# Allegro board 1140022-KU060_PCIE_FIBER_BOARD_V001_pcb166_20240120_1835_pcb.brd (continued)
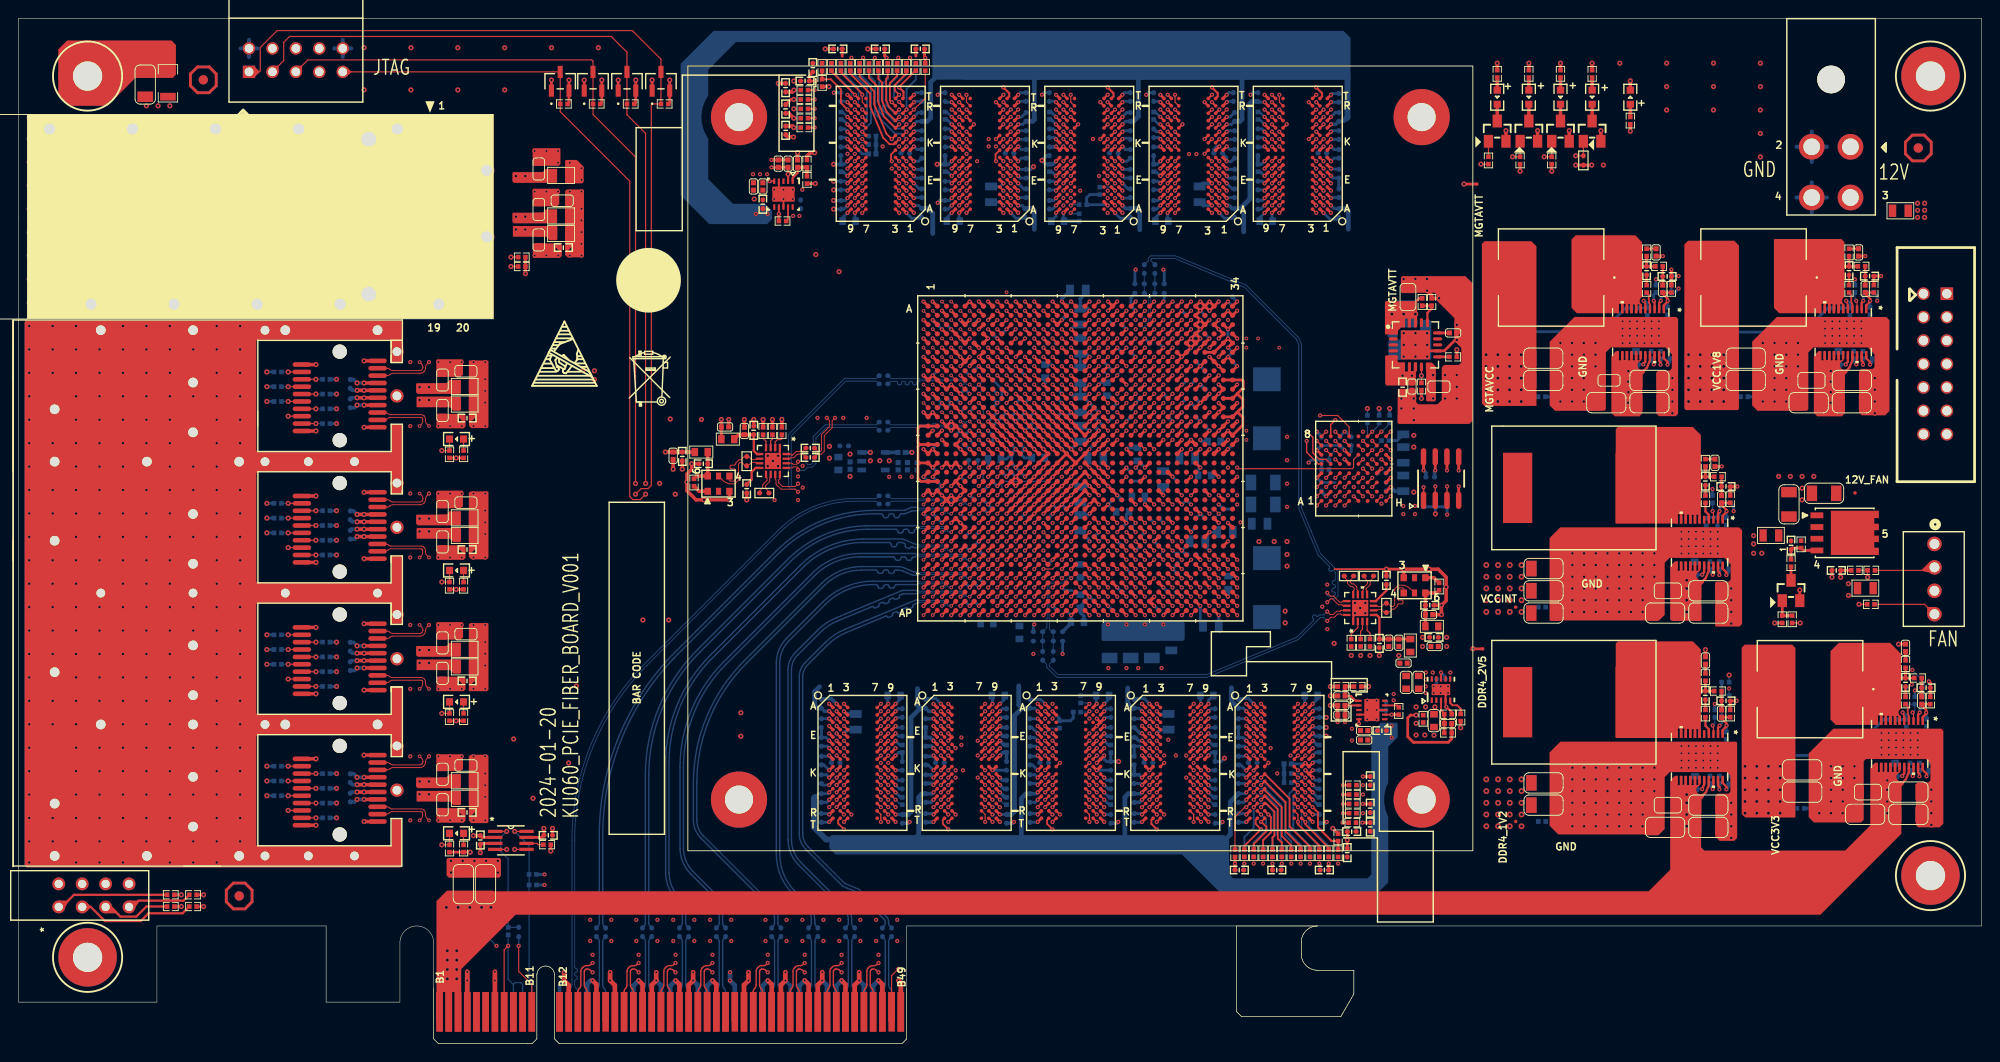
[diagram p0: board, top side]
## Routing (per net, layer and track width the routed paths; a pad name or vN(x,y) marks a point on that pad's centre or on a via; arc(x,y) is an arc through that point) (continued)
  BOTTOM w0.127: R1010.2 v3(32.24,57.77)
CHA_SFP+_1_TX_FAULT: length 82.5
  TOP w0.127: v3(29.24,58.57) 29.24,58.57 P1.B2
  TOP w0.155: U1.AE10 v1(107.11,55.45)
  ART05 w0.086: v1(107.11,55.45) 106.6,55.96 105.94,55.96 105.7,56.2 105.7,56.73 105.38,57.05 75.16,57.05 75.16,57.05 59.24,57.05 57.59,58.7 29.36,58.7 v3(29.24,58.57)
  BOTTOM w0.127: R1011.2 v3(29.24,58.57)
CHA_SFP+_1_TXD_N: length 67.6
  TOP w0.102: P1.B19 39.99,58.97 arc(40.14,58.94) 40.27,58.85 40.29,58.84 arc(40.42,58.75) 40.58,58.72 43.52,58.72 arc(43.64,58.74) 43.73,58.81 43.76,58.83 arc(43.82,58.92) 43.84,59.03 43.84,59.11 arc(43.81,59.27) 43.72,59.41 v2(43.48,59.64) ; U1.J3 v2(100.11,72.45)
  ART10 w0.084: v2(43.48,59.64) 43.66,59.64 arc(43.77,59.69) 43.82,59.8 43.82,60.07 arc(43.88,60.36) 44.04,60.61 44.58,61.15 45.05,61.46 67.07,70.58 arc(70.88,71.74) 74.84,72.13 96.86,72.13 arc(96.93,72.15) 96.95,72.22 arc(96.98,72.29) 97.05,72.31 97.19,72.31 arc(97.26,72.29) 97.29,72.22 arc(97.32,72.15) 97.38,72.13 97.66,72.13 arc(97.7,72.12) 97.73,72.09 97.75,72.08 arc(97.78,72.06) 97.82,72.05 100.32,72.05 arc(100.46,72.11) 100.51,72.24 100.51,72.26 arc(100.46,72.4) 100.32,72.45 v2(100.11,72.45)
CHA_SFP+_1_TXD_P: length 67.6
  TOP w0.102: U1.J4 v2(101.11,72.45) ; v1(44.5,59.64) 44.3,59.44 arc(44.18,59.26) 44.14,59.04 44.14,59.03 arc(44.09,58.81) 43.96,58.62 43.94,58.6 arc(43.75,58.47) 43.52,58.42 40.57,58.42 arc(40.42,58.39) 40.29,58.31 40.27,58.29 arc(40.14,58.2) 39.99,58.17 P1.B18
  ART10 w0.084: v1(44.5,59.64) 44.32,59.64 arc(44.21,59.69) 44.17,59.8 44.17,60.07 arc(44.2,60.23) 44.29,60.37 44.8,60.88 45.21,61.15 67.2,70.26 arc(70.95,71.4) 74.84,71.78 97.66,71.78 arc(97.7,71.79) 97.73,71.81 97.75,71.82 arc(97.78,71.85) 97.82,71.86 100.32,71.86 arc(100.59,71.97) 100.7,72.24 100.7,72.26 arc(100.76,72.39) 100.9,72.45 v2(101.11,72.45)
CHA_SFP+_2_LOS: length 89.6
  TOP w0.127: DS13.2 46.73,37.05 R1026.2 v3(45.89,35.8) ; P1.C8 29.24,39.52 v3(29.24,39.52)
  TOP w0.155: U1.AH9 v1(106.11,52.45)
  ART05 w0.086: v1(106.11,52.45) 105.51,51.86 97.88,51.86 97.64,51.61 72.39,51.61 56.57,35.8 v3(45.89,35.8) 44.27,37.41 36.86,37.41 36.09,38.18 33.81,38.18 32.61,39.37 29.32,39.37 29.24,39.46 v3(29.24,39.52)
CHA_SFP+_2_MOD_DETECT: length 85
  TOP w0.127: P1.C6 29.24,41.12 v3(29.24,41.12)
  TOP w0.155: U1.AH8 v1(105.11,52.45)
  ART05 w0.086: v3(29.24,41.12) 29.24,41.09 30.57,39.76 33.29,39.76 33.78,39.27 59.28,39.27 72.06,52.04 75.16,52.04 75.16,52.05 104.7,52.05 v1(105.11,52.45)
  BOTTOM w0.127: R1025.2 v3(29.24,41.12)
CHA_SFP+_2_RS0: length 2.2
  TOP w0.127: v3(32.24,40.32) P1.C7
  BOTTOM w0.127: R1022.2 v3(32.24,40.32)
CHA_SFP+_2_RS1: length 2.2
  TOP w0.127: v3(32.24,38.72) P1.C9
  BOTTOM w0.127: R1024.2 v3(32.24,38.72)
CHA_SFP+_2_RXD_N: length 80.7
  TOP w0.102: P1.C12 39.9,39.12 arc(40.07,39.16) 40.22,39.25 40.23,39.27 arc(40.37,39.36) 40.54,39.39 43.65,39.39 arc(43.71,39.38) 43.76,39.35 43.77,39.33 arc(43.8,39.29) 43.81,39.23 43.81,39.01 arc(43.77,38.8) 43.66,38.63 v2(43.48,38.45) ; U1.K1 v2(98.11,71.45)
  ART12 w0.084: v2(43.48,38.45) 43.74,38.45 arc(43.8,38.48) 43.82,38.54 43.82,39.11 arc(44.01,39.57) 44.48,39.77 49.86,39.77 arc(50.71,39.94) 51.44,40.42 52.12,41.1 arc(52.97,42.38) 53.27,43.89 arc(54.86,51.86) 59.38,58.62 68.07,67.31 arc(72.45,70.24) 77.63,71.27 94.99,71.27 arc(95.07,71.3) 95.1,71.39 arc(95.14,71.47) 95.22,71.5 95.32,71.5 arc(95.4,71.47) 95.44,71.39 arc(95.47,71.3) 95.55,71.27 95.66,71.27 arc(95.74,71.3) 95.77,71.39 arc(95.81,71.47) 95.89,71.5 95.99,71.5 arc(96.07,71.47) 96.11,71.39 arc(96.14,71.3) 96.22,71.27 96.33,71.27 arc(96.41,71.3) 96.44,71.39 arc(96.48,71.47) 96.56,71.5 96.66,71.5 arc(96.74,71.47) 96.78,71.39 arc(96.81,71.3) 96.89,71.27 97,71.27 arc(97.08,71.3) 97.11,71.39 arc(97.15,71.47) 97.23,71.5 97.33,71.5 arc(97.41,71.47) 97.45,71.39 arc(97.48,71.3) 97.56,71.27 97.81,71.27 arc(97.92,71.29) 98.01,71.36 v2(98.11,71.45)
CHA_SFP+_2_RXD_P: length 80.7
  TOP w0.102: U1.K2 v2(99.11,71.45) ; v2(44.5,38.45) 44.3,38.66 arc(44.16,38.86) 44.11,39.11 44.11,39.23 arc(44.08,39.4) 43.98,39.54 43.96,39.56 arc(43.82,39.66) 43.65,39.69 40.5,39.69 arc(40.36,39.72) 40.24,39.8 40.22,39.81 arc(40.1,39.89) 39.96,39.92 P1.C13
  ART12 w0.084: v2(99.11,71.45) 99.02,71.45 arc(98.96,71.44) 98.9,71.4 98.65,71.15 arc(98.4,70.98) 98.11,70.92 77.63,70.92 arc(72.59,69.92) 68.31,67.07 59.62,58.38 arc(55.18,51.73) 53.62,43.89 arc(53.29,42.25) 52.37,40.86 51.68,40.18 arc(50.85,39.62) 49.86,39.42 44.48,39.42 arc(44.26,39.33) 44.17,39.11 44.17,38.54 arc(44.19,38.48) 44.25,38.45 v2(44.5,38.45)
CHA_SFP+_2_SCL: length 87
  TOP w0.127: P1.C5 v3(32.24,41.92)
  TOP w0.155: U1.AK11 v1(108.11,50.45)
  ART05 w0.086: v3(32.24,41.92) 32.93,41.92 33.63,41.22 35.26,41.22 36.3,40.18 58.45,40.18 71.31,53.05 107.28,53.05 107.65,52.68 107.65,50.91 v1(108.11,50.45)
  BOTTOM w0.127: R1023.2 v3(32.24,41.92)
CHA_SFP+_2_SDA: length 92.8
  TOP w0.127: v3(29.24,42.72) 29.24,42.72 P1.C4
  TOP w0.155: U1.AN11 v1(108.11,47.45)
  ART05 w0.086: v3(29.24,42.72) 29.95,42.72 31.47,41.2 32.56,41.2 34.01,39.75 58.98,39.75 71.76,52.53 97.54,52.53 97.87,52.86 106.38,52.86 106.6,52.63 106.6,51.51 107.72,50.39 107.72,47.84 v1(108.11,47.45)
  BOTTOM w0.127: R1021.2 v3(29.24,42.72)
CHA_SFP+_2_TX_DISABLE: length 81.3
  TOP w0.127: P1.C3 v3(32.24,43.52)
  TOP w0.155: U1.AG9 v1(106.11,53.45)
  ART05 w0.086: v1(106.11,53.45) 105.7,53.86 97.88,53.86 97.64,53.62 70.87,53.62 61.34,44.09 32.82,44.09 v3(32.24,43.52)
  BOTTOM w0.127: R1020.2 v3(32.24,43.52)
CHA_SFP+_2_TX_FAULT: length 83
  TOP w0.127: P1.C2 29.24,44.32 v3(29.24,44.32)
  TOP w0.155: U1.AF8 v1(105.11,54.45)
  ART05 w0.086: v1(105.11,54.45) 104.7,54.05 70.5,54.05 60.91,44.45 29.36,44.45 v3(29.24,44.32)
  BOTTOM w0.127: R1019.2 v3(29.24,44.32)
CHA_SFP+_2_TXD_N: length 74.5
  TOP w0.102: P1.C19 39.99,44.72 arc(40.14,44.69) 40.27,44.6 40.29,44.59 arc(40.42,44.5) 40.58,44.47 43.52,44.47 arc(43.64,44.49) 43.73,44.56 43.76,44.58 arc(43.82,44.67) 43.84,44.78 43.84,44.86 arc(43.81,45.02) 43.72,45.16 v2(43.48,45.39) ; U1.L3 v2(100.11,70.45)
  ART10 w0.084: v2(100.11,70.45) 100.32,70.45 arc(100.46,70.4) 100.51,70.26 100.51,70.24 arc(100.46,70.11) 100.32,70.05 97.73,70.05 arc(97.68,70.06) 97.65,70.08 97.64,70.09 arc(97.6,70.12) 97.56,70.13 97.3,70.13 arc(97.25,70.15) 97.22,70.2 arc(97.2,70.26) 97.15,70.28 96.97,70.28 arc(96.91,70.26) 96.89,70.2 arc(96.87,70.15) 96.81,70.13 75.11,70.13 arc(70.25,69.16) 66.12,66.4 47.08,47.36 arc(46.94,47.27) 46.78,47.23 45.23,47.23 arc(44.94,47.18) 44.69,47.01 44.04,46.36 arc(43.88,46.11) 43.82,45.82 43.82,45.55 arc(43.77,45.44) 43.66,45.39 v2(43.48,45.39)
CHA_SFP+_2_TXD_P: length 74.5
  TOP w0.102: P1.C18 39.99,43.92 arc(40.14,43.95) 40.27,44.04 40.29,44.06 arc(40.42,44.14) 40.57,44.17 43.52,44.17 arc(43.75,44.22) 43.94,44.35 43.96,44.37 arc(44.09,44.56) 44.14,44.78 44.14,44.79 arc(44.18,45.01) 44.3,45.19 v1(44.5,45.39) ; U1.L4 v2(101.11,70.45)
  ART10 w0.084: v1(44.5,45.39) 44.32,45.39 arc(44.21,45.44) 44.17,45.55 44.17,45.82 arc(44.2,45.98) 44.29,46.12 44.94,46.77 arc(45.07,46.86) 45.23,46.89 46.78,46.89 arc(47.07,46.95) 47.32,47.11 66.37,66.16 arc(70.38,68.84) 75.11,69.78 97.56,69.78 arc(97.6,69.79) 97.64,69.81 97.65,69.82 arc(97.68,69.85) 97.73,69.86 100.32,69.86 arc(100.59,69.97) 100.7,70.24 100.7,70.26 arc(100.76,70.39) 100.9,70.45 v2(101.11,70.45)
CHA_SFP+_3_LOS: length 95.1
  TOP w0.127: DS14.2 46.73,22.8 R1273.2 v3(45.89,21.55) ; v3(29.24,25.27) 29.24,25.27 P1.D8
  TOP w0.155: U1.AM10 v1(107.11,48.45)
  ART05 w0.086: v1(107.11,48.45) 106.92,48.45 106.51,48.86 97.57,48.86 97.23,49 76.68,49 51.9,24.22 50.53,23.65 47.99,23.65 v3(45.89,21.55) 44.02,23.42 37.03,23.42 36.53,23.93 33.81,23.93 32.69,25.04 29.46,25.04 v3(29.24,25.27)
CHA_SFP+_3_MOD_DETECT: length 94.8
  TOP w0.127: P1.D6 29.24,26.87 v3(29.24,26.87)
  TOP w0.155: U1.AP11 v1(108.11,46.45)
  ART05 w0.086: v3(29.24,26.87) 29.24,26.84 30.61,25.48 33.15,25.48 33.58,25.04 51.97,25.04 76.28,49.35 97.09,49.35 97.83,49.05 107.32,49.05 107.52,48.84 107.52,47.04 v1(108.11,46.45)
  BOTTOM w0.127: R1274.2 v3(29.24,26.87)
CHA_SFP+_3_RS0: length 2.2
  TOP w0.127: P1.D7 v3(32.24,26.07)
  BOTTOM w0.127: R1271.2 v3(32.24,26.07)
CHA_SFP+_3_RS1: length 2.2
  TOP w0.127: P1.D9 v3(32.24,24.47)
  BOTTOM w0.127: R1272.2 v3(32.24,24.47)
CHA_SFP+_3_RXD_N: length 91.3
  TOP w0.102: U1.M1 v2(98.11,69.45) ; v2(43.48,24.2) 43.66,24.38 arc(43.77,24.55) 43.81,24.76 43.81,24.98 arc(43.8,25.04) 43.77,25.08 43.76,25.1 arc(43.71,25.13) 43.65,25.14 40.52,25.14 arc(40.35,25.11) 40.2,25.02 40.19,25 arc(40.05,24.91) 39.88,24.87 P1.D12
  ART12 w0.084: v2(43.48,24.2) 43.74,24.2 arc(43.8,24.23) 43.82,24.29 43.82,24.79 arc(43.88,25.08) 44.04,25.33 44.08,25.37 arc(44.33,25.54) 44.62,25.59 50.28,25.59 arc(50.44,25.62) 50.58,25.72 51.83,26.97 arc(55.02,31.75) 56.14,37.39 56.14,40.4 arc(58.27,51.1) 64.33,60.16 70.77,66.61 arc(73.72,68.58) 77.2,69.27 94.89,69.27 arc(94.97,69.3) 95,69.38 arc(95.03,69.46) 95.11,69.49 95.23,69.49 arc(95.3,69.46) 95.34,69.38 arc(95.37,69.3) 95.45,69.27 95.56,69.27 arc(95.64,69.3) 95.67,69.38 arc(95.71,69.46) 95.78,69.49 95.9,69.49 arc(95.97,69.46) 96.01,69.38 arc(96.04,69.3) 96.12,69.27 96.23,69.27 arc(96.31,69.3) 96.34,69.38 arc(96.38,69.46) 96.45,69.49 96.57,69.49 arc(96.65,69.46) 96.68,69.38 arc(96.71,69.3) 96.79,69.27 96.9,69.27 arc(96.98,69.3) 97.01,69.38 arc(97.05,69.46) 97.13,69.49 97.24,69.49 arc(97.32,69.46) 97.35,69.38 arc(97.38,69.3) 97.46,69.27 97.81,69.27 arc(97.92,69.29) 98.01,69.36 v2(98.11,69.45)
CHA_SFP+_3_RXD_P: length 91.4
  TOP w0.102: v2(44.5,24.2) 44.3,24.41 arc(44.16,24.62) 44.11,24.86 44.11,24.98 arc(44.08,25.15) 43.98,25.29 43.96,25.31 arc(43.82,25.41) 43.65,25.44 40.5,25.44 arc(40.36,25.47) 40.24,25.55 40.22,25.56 arc(40.1,25.64) 39.96,25.67 P1.D13 ; U1.M2 v2(99.11,69.45)
  ART12 w0.084: v2(44.5,24.2) 44.25,24.2 arc(44.19,24.23) 44.17,24.29 44.17,24.79 arc(44.2,24.95) 44.29,25.09 44.31,25.11 arc(44.46,25.21) 44.64,25.25 50.28,25.25 arc(50.57,25.31) 50.82,25.47 52.07,26.72 arc(55.34,31.62) 56.49,37.39 56.49,40.4 arc(58.59,50.97) 64.57,59.92 71.02,66.36 arc(73.85,68.26) 77.2,68.92 98.11,68.92 arc(98.4,68.98) 98.65,69.15 98.9,69.4 arc(98.96,69.44) 99.02,69.45 v2(99.11,69.45)
CHA_SFP+_3_SCL: length 88.9
  TOP w0.127: P1.D5 v3(32.24,27.67)
  TOP w0.155: U1.AL10 v1(107.11,49.45)
  ART05 w0.086: v3(32.24,27.67) 32.93,27.67 33.63,26.97 35.03,26.97 36.07,25.93 51.36,25.93 75.64,50.22 97.64,50.22 97.81,50.05 106.51,50.05 v1(107.11,49.45)
  BOTTOM w0.127: R1270.2 v3(32.24,27.67)
CHA_SFP+_3_SDA: length 91.3
  TOP w0.127: P1.D4 v3(29.24,28.47)
  TOP w0.155: U1.AL9 v1(106.11,49.45)
  ART05 w0.086: v3(29.24,28.47) 30.18,28.47 31.85,26.8 32.61,26.8 33.91,25.5 51.69,25.5 75.95,49.76 97.74,49.76 97.84,49.86 105.7,49.86 v1(106.11,49.45)
  BOTTOM w0.127: R1269.2 v3(29.24,28.47)
CHA_SFP+_3_TX_DISABLE: length 86.9
  TOP w0.127: P1.D3 v3(32.24,29.27)
  TOP w0.155: U1.AK10 v1(107.11,50.45)
  ART05 w0.086: v3(32.24,29.27) 32.82,29.84 53.64,29.84 74.42,50.62 97.61,50.62 97.85,50.86 106.7,50.86 v1(107.11,50.45)
  BOTTOM w0.127: R1267.2 v3(32.24,29.27)
CHA_SFP+_3_TX_FAULT: length 88.7
  TOP w0.127: P1.D2 v3(29.24,30.07)
  TOP w0.155: U1.AJ9 v1(106.11,51.45)
  ART05 w0.086: v3(29.24,30.07) 29.36,30.2 52.96,30.2 73.8,51.05 105.7,51.05 v1(106.11,51.45)
  BOTTOM w0.127: R1268.2 v3(29.24,30.07)
CHA_SFP+_3_TXD_N: length 83.9
  TOP w0.102: v2(43.48,31.14) 43.72,30.91 arc(43.81,30.77) 43.84,30.61 43.84,30.53 arc(43.82,30.42) 43.76,30.33 43.73,30.31 arc(43.64,30.24) 43.52,30.22 40.58,30.22 arc(40.42,30.25) 40.29,30.34 40.27,30.35 arc(40.14,30.44) 39.99,30.47 P1.D19 ; U1.N3 v2(100.11,68.45)
  ART10 w0.084: v2(43.48,31.14) 43.66,31.31 arc(43.78,31.49) 43.82,31.7 43.82,31.9 arc(44.02,32.38) 44.5,32.58 45.81,32.58 arc(47.41,32.9) 48.76,33.8 arc(49.03,34.1) 49.27,34.42 58.31,47.94 arc(60.77,52.28) 62.56,56.93 62.56,56.94 arc(63.74,59.58) 65.52,61.87 68.87,65.21 arc(70.74,66.46) 72.94,66.9 91.56,66.9 arc(91.64,66.91) 91.72,66.94 94.45,68.07 arc(94.59,68.11) 94.74,68.13 96.8,68.13 arc(96.87,68.16) 96.9,68.23 arc(96.93,68.3) 97,68.33 97.14,68.33 arc(97.21,68.3) 97.24,68.23 arc(97.27,68.16) 97.34,68.13 97.56,68.13 arc(97.6,68.12) 97.64,68.09 97.65,68.08 arc(97.68,68.06) 97.73,68.05 100.32,68.05 arc(100.46,68.11) 100.51,68.24 100.51,68.26 arc(100.46,68.4) 100.32,68.45 v2(100.11,68.45)
CHA_SFP+_3_TXD_P: length 84
  TOP w0.102: P1.D18 39.99,29.67 arc(40.14,29.7) 40.27,29.79 40.29,29.81 arc(40.42,29.89) 40.57,29.92 43.52,29.92 arc(43.75,29.97) 43.94,30.1 43.96,30.12 arc(44.09,30.31) 44.14,30.53 44.14,30.54 arc(44.18,30.76) 44.3,30.94 v1(44.5,31.14) ; U1.N4 v2(101.11,68.45)
  ART10 w0.084: v2(101.11,68.45) 100.9,68.45 arc(100.76,68.39) 100.7,68.26 100.7,68.24 arc(100.59,67.97) 100.32,67.86 97.73,67.86 arc(97.68,67.85) 97.65,67.82 97.64,67.81 arc(97.6,67.79) 97.56,67.78 94.81,67.78 arc(94.66,67.77) 94.52,67.72 91.85,66.62 arc(91.71,66.57) 91.56,66.56 72.94,66.56 arc(70.87,66.15) 69.11,64.97 65.76,61.62 arc(64.03,59.4) 62.89,56.84 62.89,56.83 arc(61.08,52.13) 58.6,47.75 49.57,34.24 arc(49.6,34.21) 49.62,34.18 arc(49.32,33.87) 49.01,33.56 arc(47.54,32.58) 45.81,32.23 44.5,32.23 arc(44.26,32.13) 44.17,31.9 44.17,31.7 arc(44.21,31.49) 44.33,31.31 v1(44.5,31.14)
CHA_TEMP_ALERT: length 38.1
  TOP w0.127: U150.3 154.85,60.4 v1(154.87,60.41)
  TOP w0.155: U1.AB26 v1(124.11,58.45)
  ART03 w0.086: v1(154.87,60.41) 154.32,60.96 153.26,60.96 152.93,60.63 152.93,59.92 152.25,59.23 149.81,59.23 145.98,55.41 141.42,55.41 136.78,56.33 134.13,57.43 130.86,57.43 130.43,57.86 124.7,57.86 v1(124.11,58.45)
  BOTTOM w0.127: R829.2 v1(154.87,60.41)
CHA_TEMP_SCL: length 37.6
  TOP w0.127: U150.2 v1(153.58,60.41)
  TOP w0.155: U1.AB25 v1(123.11,58.45)
  ART03 w0.086: v1(153.58,60.41) 153.58,59.91 152.48,58.8 149.94,58.8 146.13,54.99 141.49,54.99 136.41,56 134.19,56.92 124.64,56.92 v1(123.11,58.45)
  BOTTOM w0.127: R830.2 153.6,60.4 v1(153.58,60.41)
CHA_TEMP_SDA: length 33.1
  TOP w0.155: U1.AB27 v1(125.11,58.45) ; U150.1 v1(152.31,60.33)
  ART03 w0.086: v1(125.11,58.45) 125.5,58.06 130.68,58.06 130.86,57.89 134.16,57.89 137.01,56.7 141.29,55.85 145.85,55.85 150.32,60.33 v1(152.31,60.33)
  BOTTOM w0.155: v1(152.31,60.33) 152.31,60.3 152.33,60.29 R831.2
CHA_VCCAUX: length 15.9
  TOP w0.305: U1.U20 117.63,63.95 v1(118.11,64.45) ; U1.W8 v1(105.11,61.45) ; U1.AA8 v1(105.11,59.45) ; U1.T19 v1(117.11,65.45) U1.R20 ; U1.AC18 v1(116.11,58.45) U1.AB19 v1(117.11,58.45) ; U1.V19 v1(117.11,62.43) 117.58,61.95 U1.W20 v1(118.11,61.45) ; U1.U8 v1(105.11,64.45) ; U1.N18 v1(116.11,68.45) U1.M19 ; U1.Y19 v1(117.11,60.45) ; U1.P19 v1(117.11,67.45) ; U1.AC8 v1(105.11,57.45)
  BOTTOM w0.305: C123.1 104.64,57.92 v1(105.11,57.45) ; C119.1 116.1,68.44 v1(116.11,68.45) 116.58,67.98 C122.1 116.61,67.95 v1(117.11,67.45) 117.58,66.98 C121.1
CHA_VCCINT: length 126.8
  TOP w0.305: v1(110.11,69.45) U1.M13 v1(111.11,68.45) U1.N14 v1(112.11,67.45) U1.P15 v1(113.11,66.45) U1.R16 v1(114.11,65.45) U1.T17 ; v1(110.11,62.45) U1.V13 U1.U14 v1(111.11,64.45) U1.T13 v1(110.11,65.45) U1.R12 v1(109.11,66.45) U1.P11 v1(108.11,67.45) U1.N10 v1(107.11,68.45) U1.M9 ; U1.AA10 v1(107.11,59.45) ; v1(108.11,69.45) U1.M11 v1(109.11,68.45) U1.N12 v1(110.11,67.45) U1.P13 v1(111.11,66.45) U1.R14 v1(112.11,65.45) U1.T15 v1(113.11,64.45) U1.U16 ; U1.M17 v1(114.11,69.45) ; U1.R8 v1(106.11,65.45) U1.T9 v1(107.11,64.45) U1.U10 ; U1.T11 v1(108.11,65.45) U1.R10 v1(107.11,66.45) U1.P9 v1(106.11,67.45) U1.N8 v1(105.11,68.45) ; U1.U16 U1.V15 v1(112.11,62.45) U1.W14 v1(111.11,61.45) U1.Y13 v1(110.11,60.45) U1.AA12 v1(109.11,59.45) U1.AB11 v1(108.11,58.45) U1.AC10 v1(107.11,57.45) ; U1.U16 U1.V17 ; U1.V17 U1.U18 116.08,64.45 v2(116.11,64.45) ; U1.V17 v1(114.11,62.45) U1.W16 ; v1(116.11,61.45) U1.W18 U1.Y17 v1(114.11,60.45) U1.AA16 v1(113.11,59.45) U1.AB15 v1(112.11,58.45) U1.AC14 v1(111.11,57.45) ; U1.AC16 v1(114.11,58.45) U1.AB17 U1.AA18 v1(116.11,59.45) ; U1.Y15 v1(112.11,60.45) U1.AA14 v1(111.11,59.45) U1.AB13 v1(110.11,58.45) U1.AC12 v1(109.11,57.45) ; v1(112.11,69.45) U1.M15 v1(113.11,68.45) U1.N16 v1(114.11,67.45) U1.P17 U1.R18 v1(116.11,66.45) ; U1.W10 v1(107.11,61.45)
  TOP w0.381: R580.1 C1506.2 v1(186.33,60.4)
  ART10 w0.381: v4(162.93,46.8) 165.18,45.87 181.23,45.87 186.97,51.61 186.97,58.87 v1(186.33,60.4)
  BOTTOM w0.305: v1(107.11,59.45) 107.55,59.9 C105.1 ; C115.1 v1(108.11,69.45) ; v1(109.11,59.45) 108.64,58.98 C111.1 108.13,58.45 v1(108.11,58.45) ; C106.1 112.64,67.98 v1(113.11,68.45) ; C112.1 116.61,64.97 116.11,64.48 v2(116.11,64.45) ; v1(111.11,61.45) 111.58,61.92 C118.1 111.61,61.95 v1(112.11,62.45) ; v1(109.11,68.45) 108.64,67.98 C114.1 v1(108.11,67.45) ; v1(110.11,67.45) 109.64,66.98 C116.1 109.62,66.96 v1(109.11,66.45) ; v1(109.11,57.45) 108.64,56.98 C103.1 ; v1(113.11,66.45) U1.P15 v1(112.11,67.45) ; v1(116.11,54.45) 115.95,54.61 115.95,54.74 115.11,55.58 C99.1 ; C110.1 112.63,57.93 v1(112.11,58.45) ; v1(106.11,67.45) 105.67,67.01 R10.1 ; v1(106.11,67.45) 106.58,66.98 C113.1 106.64,66.92 v1(107.11,66.45) ; v1(106.11,67.45) 106.64,67.98 C108.1 106.64,67.99 v1(107.11,68.45) ; C109.1 106.64,61.92 v1(107.11,61.45) ; v1(116.11,66.45) C102.1 v1(114.11,67.45) ; C104.1 112.64,64.92 v1(113.11,64.45) ; v1(112.11,60.45) 111.64,59.98 C117.1
  vias: v1(118.11,45.45) v1(120.11,45.45) v1(122.11,45.45) v1(124.11,45.45) v1(137.52,65.79) v1(137.52,63.25) v1(137.52,60.71) v1(137.52,58.19) v2(133.11,66.45) v2(133.11,65.45) v3(134.47,54.43) v3(136.12,54.43) v3(137.52,54.43) v3(137.52,53.04) v3(137.52,51.77) v4(159.12,51.88) v4(159.12,50.61) v4(159.12,49.34) v4(159.12,48.07) v4(159.12,46.8) v4(160.39,51.88) v4(160.39,50.61) v4(160.39,49.34) v4(160.39,48.07) v4(160.39,46.8) v4(161.66,51.88) v4(161.66,50.61) v4(161.66,49.34) v4(161.66,48.07) v4(161.66,46.8) v4(162.93,51.88) v4(162.93,50.61) v4(162.93,49.34) v4(162.93,48.07)
CHA_VCCINT_EN: length 4.1
  TOP w0.254: U108.2 184.24,57.48 184.41,57.66 v1(184.41,57.73)
  BOTTOM w0.254: R588.2 184.41,58.33 v1(184.41,57.73) 184.38,57.7 184.38,57.27 C1198.1 183.06,57.06 R589.2
CHA_VCCINT_GOOD: length 42.1
  TOP w0.127: v1(183.65,57.73) 183.74,57.64 U108.3
  ART03 w0.086: v1(183.65,57.73) 183.65,58.86 188.98,64.19 201.6,64.19 202.72,65.3 202.72,80.11 202.29,80.54 v1(201.49,80.54)
  BOTTOM w0.127: R587.2 183.63,57.74 v1(183.65,57.73)
  BOTTOM w0.305: R654.2 201.49,81.11 v1(201.49,80.54)
DDR4_1V2: length 342.2
  TOP w0.229: U14.2 v3(83.43,94.26) C252.1 ; U5.B3 v1(123.4,36.03) ; U7.J2 133.9,29.63 v1(133.9,29.61) ; C343.1 U8.2
  TOP w0.305: v1(121.11,79.45) U1.B23 ; U10.J1 v1(142.28,97.27) ; v1(140.3,30.43) U7.J9 v1(139.5,30.43) U7.J8 ; U11.B3 v1(95.47,90.87) ; U7.G9 v1(140.3,32.03) ; U12.A1 v1(119.67,90.07) ; U13.L1 v1(108.37,98.87) ; U7.F8 v1(139.5,32.83) ; U9.F8 v1(124.58,94.07) ; U1.A26 v1(124.11,80.45) ; U5.T9 v1(128.99,24.03) ; U4.F8 v1(105.59,32.83) ; U6.J2 v1(111.29,29.63) ; U9.A1 v1(130.98,90.07) ; U9.C1 v1(130.98,91.67) ; U4.B9 v1(106.39,36.03) ; U4.D1 v1(99.19,34.43) ; U6.J1 v1(110.49,29.63) ; U4.J2 v1(99.99,29.63) ; U3.G1 v1(87.89,32.03) ; U7.B9 v1(140.3,36.03) ; U1.AP27 v1(124.11,46.45) ; U5.J2 v1(122.6,29.63) U5.J1 ; U11.G1 v1(97.07,94.87) ; U9.J1 v1(130.98,97.27) ; U12.L9 v1(112.47,98.87) ; U7.A9 v1(140.3,36.83) ; U1.E24 v1(122.11,76.45) ; U12.C1 v1(119.67,91.67) ; U13.G9 v1(101.17,94.87) ; U9.L1 v1(130.98,98.87) ; v1(81.62,95.01) C251.1 C252.1 ; U1.AL26 v1(124.11,49.45) ; U10.G7 v1(136.68,94.87) ; U3.G7 v1(93.49,32.03) ; U9.J9 v1(123.78,97.27) ; U1.AN30 v1(128.11,47.45) ; U12.L1 v1(119.67,98.87) ; U1.AD17 v1(114.11,56.45) ; U11.C1 v1(97.07,91.67) ; U9.G1 v1(130.98,94.87) ; U13.R1 v1(108.37,102.07) ; U9.G9 v1(123.78,94.87) ; U3.C1 v1(87.89,35.23) ; U13.A9 v1(101.17,90.07) ; U11.T9 v1(89.87,102.87) ; U11.D9 v1(89.87,92.47) ; U6.L1 v1(110.49,28.03) ; U6.C1 v1(110.49,35.23) ; U11.J8 v1(90.67,97.27) ; U12.T9 v1(112.47,102.87) ; U4.D9 v1(106.39,34.43) ; U9.D1 v1(130.98,92.47) ; U11.D1 v1(97.07,92.47) ; U12.D1 v1(119.67,92.47) ; R81.1 v3(142.48,23.33) ; U5.G9 v1(128.99,32.03) ; U9.B9 v1(123.78,90.87) ; U7.R1 v1(133.1,24.83) ; U5.J9 v1(128.99,29.63) ; U10.B9 v1(135.08,90.87) ; U7.L9 v1(140.3,28.03) ; U1.E14 v1(111.11,76.45) ; U13.G1 v1(108.37,94.87) ; U7.G1 v1(133.1,32.03) ; U1.F11 v1(108.11,74.45) ; U9.D9 v1(123.78,92.47) ; U7.D9 v1(140.3,34.43) ; U10.J8 v1(135.88,97.27) ; U6.A1 v1(110.49,36.83) ; U6.F2 v1(111.29,32.83) ; U13.T9 v1(101.17,102.87) ; U7.L1 v1(133.1,28.03) ; U3.J2 v1(88.69,29.63) ; R631.1 C1523.2 v1(186.26,37.16) ; U7.T9 v1(140.3,24.03) ; U4.J9 105.99,30.03 v1(105.59,29.63) U4.J8 ; U3.F8 v1(94.29,32.83) ; U5.L9 v1(128.99,28.03) ; U3.F2 v1(88.69,32.83) ; U12.B3 v1(118.07,90.87) ; U6.T9 v1(117.69,24.03) ; U11.J2 v1(96.27,97.27) ; U3.T9 v1(95.09,24.03) ; U6.A9 v1(117.69,36.83) ; U13.F8 v1(101.97,94.07) ; U6.L9 v1(117.69,28.03) ; U11.F2 v1(96.27,94.07) ; U5.J8 v1(128.2,29.63) ; U3.B3 v1(89.49,36.03) ; U7.G7 v1(138.7,32.03) ; U1.AG28 v1(126.11,53.45) ; U1.AH15 v1(112.11,52.45) ; U13.J1 v1(108.37,97.27) ; U10.J2 v1(141.48,97.27) ; U1.AK29 v1(127.11,50.45) ; U5.F2 v1(122.6,32.83) ; U4.L1 v1(99.19,28.03) ; U13.B9 v1(101.17,90.87) ; U4.L9 v1(106.39,28.03) ; U13.J2 v1(107.57,97.27) ; U3.J8 v1(94.29,29.63) ; U11.F8 v1(90.67,94.07) ; U6.R1 v1(110.49,24.83) ; U7.B3 v1(134.7,36.03) ; U9.A9 v1(123.78,90.07) ; U13.A1 v1(108.37,90.07) ; U10.F8 v1(135.88,94.07) ; U4.G9 v1(106.39,32.03) ; U6.J9 v1(116.89,29.63) U6.J8 ; U1.AJ22 v1(120.11,51.45) ; U7.J1 133.5,30.01 v1(133.1,29.61) ; U9.L9 v1(123.78,98.87) ; U1.AL16 v1(113.11,49.45) ; U3.G9 v1(95.09,32.03) ; U5.D1 v1(121.8,34.43) ; U10.T9 v1(135.08,102.87) ; U9.R1 v1(130.98,102.07) ; U12.G7 v1(114.07,94.87) ; U13.B3 v1(106.77,90.87) ; U5.G1 v1(121.8,32.03) ; U13.G7 v1(102.77,94.87) ; U4.A9 v1(106.39,36.83) ; U10.A1 v1(142.28,90.07) ; U12.G1 v1(119.67,94.87) ; U10.R1 v1(142.28,102.07) ; U3.J9 v1(95.09,29.63) ; U13.C1 v1(108.37,91.67) ; U1.AE24 v1(122.11,55.45) ; U12.J2 v1(118.87,97.27) ; U10.A9 v1(135.08,90.07) ; U6.B9 v1(117.69,36.03) ; U12.F8 v1(113.27,94.07) ; U3.D1 v1(87.89,34.43) ; U12.F2 v1(118.87,94.07) ; U1.F21 v1(119.11,75.45) ; U1.AM33 v1(131.11,48.45) ; U9.B3 v1(129.38,90.87) ; U10.F2 v1(141.48,94.07) ; U13.F2 v1(107.57,94.07) ; U9.J8 v1(124.58,97.27) ; U4.R1 v1(99.19,24.83) ; U5.C1 v1(121.8,35.23) ; U5.G7 v1(127.39,32.03) ; U5.A1 v1(121.8,36.83) ; U6.F8 v1(116.89,32.83) ; U3.L9 v1(95.09,28.03) ; U3.A1 v1(87.89,36.83) ; U11.G9 v1(89.87,94.87) ; U6.D9 v1(117.69,34.43) ; U13.D1 v1(108.37,92.47) ; U7.C1 v1(133.1,35.23) ; U1.D27 v1(125.11,77.45) ; U4.C1 v1(99.19,35.23) ; U3.D9 v1(95.09,34.43) ; U1.C10 v1(107.11,77.45) ; U12.R1 v1(119.67,102.07) ; U11.L9 v1(89.87,98.87) ; U11.B9 v1(89.87,90.87) ; v1(112.47,97.27) U12.J9 v1(113.27,97.27) U12.J8 ; U5.A9 v1(128.99,36.83) ; U10.J9 v1(135.08,97.27) ; U1.AM23 v1(121.11,48.45) ; U4.B3 v1(100.79,36.03) ; U3.A9 v1(95.09,36.83) ; U13.D9 v1(101.17,92.47) ; U11.R1 v1(97.07,102.07) ; U10.L1 v1(142.28,98.87) ; U11.J1 v1(97.07,97.27) ; U13.J9 v1(101.17,97.27) ; U4.A1 v1(99.19,36.83) ; U4.F2 v1(99.99,32.83) ; U10.G1 v1(142.28,94.87) ; U10.C1 v1(142.28,91.67) ; U12.A9 v1(112.47,90.07) ; U1.H15 v1(112.11,73.45) ; U5.R1 v1(121.8,24.83) ; U5.D9 v1(128.99,34.43) ; U10.L9 v1(135.08,98.87) ; U7.D1 v1(133.1,34.43) ; U3.J1 v1(87.89,29.63) ; U4.G1 v1(99.19,32.03) ; R127.1 v3(87.86,103.76) ; R150.1 v3(86.39,93.25) ; U1.G18 v1(116.11,74.45) ; U3.R1 v1(87.89,24.83) ; U6.G1 v1(110.49,32.03) ; U11.L1 v1(97.07,98.87) ; U1.L16 v1(113.11,70.45) ; U5.F8 v1(128.2,32.83) ; U6.D1 v1(110.49,34.43) ; U4.T9 v1(106.39,24.03) ; U10.B3 v1(140.68,90.87) ; U12.B9 v1(112.47,90.87) ; U11.J9 v1(89.87,97.27) ; U11.A9 v1(89.87,90.07) ; U1.AE14 v1(111.11,56.45) ; U6.G7 v1(116.09,32.03) ; U11.G7 v1(91.47,94.87) ; U9.G7 v1(125.38,94.87) ; U1.AK19 v1(117.11,50.45) ; U1.D17 v1(114.11,77.45) ; U1.C20 v1(118.11,78.45) ; U4.G7 v1(104.79,32.03) ; U5.L1 v1(121.8,28.03) ; U4.J1 v1(99.19,29.63) ; U3.L1 v1(87.89,28.03) ; U10.D1 v1(142.28,92.47) ; U11.A1 v1(97.07,90.07) ; U10.D9 v1(135.08,92.47) ; U12.G9 v1(112.47,94.87) ; U12.D9 v1(112.47,92.47) ; U10.G9 v1(135.08,94.87) ; U6.B3 v1(112.09,36.03) ; U1.AG18 v1(116.11,53.45) ; U1.J12 v1(109.11,72.45) ; U3.B9 v1(95.09,36.03) ; U1.A16 v1(113.11,80.45) ; U9.J2 v1(130.18,97.27) ; U1.AN20 v1(118.11,47.45) ; U1.AH25 v1(122.11,53.45) ; U6.G9 v1(117.69,32.03) ; U1.K19 v1(117.11,71.45) ; U1.K9 v1(107.11,70.45) ; U5.B9 v1(128.99,36.03) ; U1.G8 v1(105.11,74.45) ; U9.T9 v1(123.78,102.87) ; U12.J1 v1(119.67,97.27) ; U13.J8 v1(101.97,97.27) ; U13.L9 v1(101.17,98.87) ; U7.A1 v1(133.1,36.83) ; U9.F2 v1(130.18,94.07) ; U7.F2 v1(133.9,32.83) ; v1(110.11,79.45) U1.B13 ; U1.AJ32 v1(130.11,51.45) ; U1.AP17 v1(114.11,46.45) ; U1.AF21 v1(119.11,54.45)
  TOP w0.381: v1(143.8,34.86) C342.1 C343.1 ; R103.1 v3(146.35,38.71)
  ART12 w0.381: v1(186.26,37.16) 186.26,34.07 185.88,33.15 185.88,27.28 181.13,22.53 166.58,22.53 164.36,22.97 v4(162.93,23.56)
  BOTTOM w0.305: C263.1 129.57,96.97 129.88,97.27 v1(130.18,97.27) ; C199.1 C198.1 121.58,32.25 v1(121.8,32.03) ; v1(140.3,36.03) 140.57,36.3 C216.1 ; C173.1 95.51,27.61 v1(95.09,28.03) ; v1(121.8,24.83) 121.69,24.93 C200.1 ; v1(99.99,29.63) 100.36,30 C186.1 ; v1(101.17,90.87) 100.78,90.48 C309.1 ; v1(95.09,36.83) 95.62,37.36 C170.1 ; v1(108.37,91.67) 108.43,91.73 C307.1 ; v1(112.47,98.87) 112.18,99.17 C320.1 ; v1(96.27,97.27) 95.66,96.67 C293.1 ; C179.1 89.05,30 v1(88.69,29.63) ; C33.1 112.64,70.92 v1(113.11,70.45) ; C314.1 108.7,96.94 v1(108.37,97.27) ; C40.1 121.59,54.93 v1(122.11,55.45) ; v1(89.87,98.87) 89.57,99.17 C290.1 ; v1(99.19,24.83) 99.09,24.93 C192.1 ; C287.1 89.34,89.54 v1(89.87,90.07) ; v1(112.47,92.47) 112.38,92.56 C324.1 ; v1(121.11,79.45) 120.6,79.96 120.6,80.9 121.03,81.33 R62.2 ; v1(123.78,90.07) 123.25,89.54 C261.1 ; C39.1 C45.1 115.77,74.79 v1(116.11,74.45) ; v1(112.47,90.87) 112.08,90.48 C323.1 ; C36.1 v1(114.11,46.45) 114.1,46.44 C42.1 ; v1(140.3,34.43) 140.46,34.27 C219.1 v3(141.76,34.27) ; C280.1 143.09,94.82 142.33,94.82 v1(142.28,94.87) ; C180.1 87.31,30.21 v1(87.89,29.63) ; v1(113.11,49.45) 113.44,49.12 114.22,49.12 ; v1(89.87,92.47) 89.78,92.56 C297.1 v3(88.37,92.56) ; v1(123.78,98.87) 123.36,98.87 C267.1 ; C232.1 109.91,30.21 v1(110.49,29.63) ; v1(95.09,36.03) 95.35,36.3 C178.1 ; v1(119.67,102.07) 119.77,102.16 C326.1 ; C308.1 101.08,92.56 v1(101.17,92.47) ; C315.1 101.11,97.21 v1(101.17,97.27) ; C316.1 112.47,89.7 v1(112.47,90.07) ; C214.1 140.83,37.36 v1(140.3,36.83) ; v1(133.1,24.83) 133,24.93 C221.1 ; v1(119.67,91.67) 120.46,91.67 C322.1 ; C37.1 111.58,75.98 v1(111.11,76.45) ; v1(107.57,97.27) 106.96,96.67 C313.1 ; C310.1 100.87,99.17 v1(101.17,98.87) ; v1(124.11,80.45) 124.2,80.54 R61.2 ; v1(118.87,97.27) 118.27,96.67 C317.1 ; v1(128.99,36.83) 128.99,37.2 C196.1 ; C176.1 87.78,24.93 v1(87.89,24.83) ; v1(117.69,28.03) 118.11,27.61 C227.1 ; v1(118.07,90.87) 117.99,90.96 R120.2 115.79,91.71 116.13,92.05 R119.1 ; v1(117.69,36.03) 117.96,36.3 C235.1 ; U1.AM23 v1(121.11,48.45) ; C277.1 142.38,98.98 v1(142.28,98.87) ; C292.1 97.16,102.16 v1(97.07,102.07) ; v1(123.78,92.47) 123.69,92.56 C264.1 ; v1(133.1,35.23) 133.08,35.22 C218.1 ; C220.1 132.92,28.21 v1(133.1,28.03) ; C231.1 110.28,32.25 v1(110.49,32.03) ; C44.1 v1(127.11,50.45) ; C47.1 108.64,72.92 v1(109.11,72.45) ; v1(135.08,90.87) 134.68,90.48 C274.1 ; C55.1 122.63,75.93 v1(122.11,76.45) ; C174.1 95.25,34.27 v1(95.09,34.43) ; v1(87.89,35.23) 87.87,35.22 C171.1 ; C271.1 123.72,97.21 v1(123.78,97.27) ; v1(122.6,29.63) 122.96,30 C206.1 ; C43.1 v1(124.11,46.45) ; v1(110.49,28.03) 110.32,28.21 C226.1 ; C223.1 140.45,30.58 v1(140.3,30.43) ; C59.1 126.53,53.03 v1(126.11,53.45) 126.95,54.29 C50.1 ; C304.1 106.41,91.24 v1(106.77,90.87) ; C234.1 117.86,34.27 v1(117.69,34.43) ; v1(128.11,47.45) 128.11,45.61 C61.1 ; C201.1 121.62,28.21 v1(121.8,28.03) ; v1(142.28,97.27) 142.61,96.94 C278.1 ; C318.1 120,96.94 v1(119.67,97.27) ; C46.1 v1(119.11,54.45) ; C269.1 123.38,90.48 v1(123.78,90.87) ; C197.1 129.16,34.27 v1(128.99,34.43) ; v1(107.11,77.45) 106.6,76.94 C58.1 ; C225.1 118.22,37.36 v1(117.69,36.83) ; v1(133.1,32.03) 132.88,32.25 C215.1 ; C56.1 v1(119.11,75.45) ; v1(108.37,102.07) 108.46,102.16 C312.1 ; C51.1 v1(112.11,52.45) ; R74.2 114.34,35.3 114.03,34.99 R73.1 112.85,35.27 v1(112.09,36.03) ; C275.1 134.99,92.56 v1(135.08,92.47) ; C270.1 131.06,94.78 v1(130.98,94.87) ; C32.1 117.31,71.65 v1(117.11,71.45) ; v1(128.99,29.63) 129.01,29.64 C203.1 ; v1(139.5,30.43) 139.39,30.33 C257.2 ; C305.1 100.64,89.54 v1(101.17,90.07) ; C35.1 111.95,73.61 v1(112.11,73.45) ; C228.1 116.9,29.64 v1(116.89,29.63) ; v1(130.98,102.07) 131.07,102.16 C266.1 ; v1(128.99,28.03) 129.42,27.61 C204.1 ; C268.1 131.04,91.73 v1(130.98,91.67) ; C230.1 110.48,35.22 v1(110.49,35.23) ; v1(87.89,28.03) 87.21,28.03 C175.1 ; C182.1 106.92,37.36 v1(106.39,36.83) ; C41.1 v1(124.11,49.45) ; v1(119.67,98.87) 119.78,98.98 C325.1 ; v1(114.11,77.45) 114.63,77.97 C38.1 ; C276.1 142.34,91.73 v1(142.28,91.67) ; v1(128.99,36.03) 129.26,36.3 C205.1 ; v1(133.1,29.61) 132.49,30.21 C217.1 ; v1(99.19,29.63) 98.61,30.21 C188.1 ; v1(141.48,97.27) 140.87,96.67 C279.1 ; C202.1 121.78,35.22 v1(121.8,35.23) ; v1(97.07,94.87) 97.15,94.78 C291.1 ; v1(133.9,29.61) 134.26,29.97 C224.1 ; v1(119.67,94.87) 119.76,94.78 C321.1 ; v1(110.11,45.45) 110.01,45.36 R51.2 ; v1(90.67,97.27) 91.47,96.47 C348.2 ; v1(130.98,98.87) 131.08,98.98 C262.1 ; C185.1 105.6,29.64 v1(105.59,29.63) ; v1(110.49,24.83) 110.39,24.93 C229.1 ; v1(130.98,97.27) 131.3,96.94 C265.1 ; C52.1 v1(118.11,47.45) ; v1(106.39,36.03) 106.66,36.3 C187.1 ; v1(111.29,29.63) 111.66,30 C233.1 ; v1(89.87,97.27) 89.81,97.21 C295.1 ; C282.1 135.02,97.21 v1(135.08,97.27) ; C222.1 140.72,27.61 v1(140.3,28.03) ; C289.1 97.13,91.73 v1(97.07,91.67) ; C311.1 108.47,98.98 v1(108.37,98.87) ; C34.1 v1(118.11,78.45) ; v1(108.37,94.87) 108.46,94.78 C306.1 109.75,94.78 v3(110.03,95.07) ; C294.1 97.17,98.98 v1(97.07,98.87) ; C273.1 134.55,89.54 v1(135.08,90.07) ; C283.1 v1(142.28,102.07) ; C177.1 87.67,32.25 v1(87.89,32.03) ; C172.1 95.1,29.64 v1(95.09,29.63) ; C169.1 123.69,35.74 v1(123.4,36.03) ; C60.1 v1(120.11,51.45) ; v1(89.87,90.87) 89.47,90.48 C296.1 v3(88.37,90.48) ; C281.1 134.78,99.17 v1(135.08,98.87) ; C288.1 97.39,96.94 v1(97.07,97.27)
  BOTTOM w0.381: C319.1 112.42,97.21 v1(112.47,97.27) ; C53.1 113.11,80.75 v1(113.11,80.45) ; v1(89.49,36.03) 89.78,35.74 C213.1 ; v1(99.19,28.03) 99.01,28.21 C191.1 ; v1(129.38,90.87) 128.41,90.87 C260.1 ; v1(99.19,32.03) 98.98,32.25 C190.1 ; C54.1 131.15,48.49 v1(131.11,48.45) ; v1(106.39,28.03) 106.81,27.61 C184.1 ; v1(99.19,35.23) 99.18,35.22 C189.1 ; v1(106.39,34.43) 106.55,34.27 C183.1 ; R50.2 114.1,45.57 C42.1
  vias: v4(159.12,28.64) v4(159.12,27.37) v4(159.12,26.1) v4(159.12,24.83) v4(159.12,23.56) v4(160.39,28.64) v4(160.39,27.37) v4(160.39,26.1) v4(160.39,24.83) v4(160.39,23.56) v4(161.66,28.64) v4(161.66,27.37) v4(161.66,26.1) v4(161.66,24.83) v4(161.66,23.56) v4(162.93,28.64) v4(162.93,27.37) v4(162.93,26.1) v4(162.93,24.83)
